# KiCad board Inn BEC Panelized_panelized.kicad_pcb
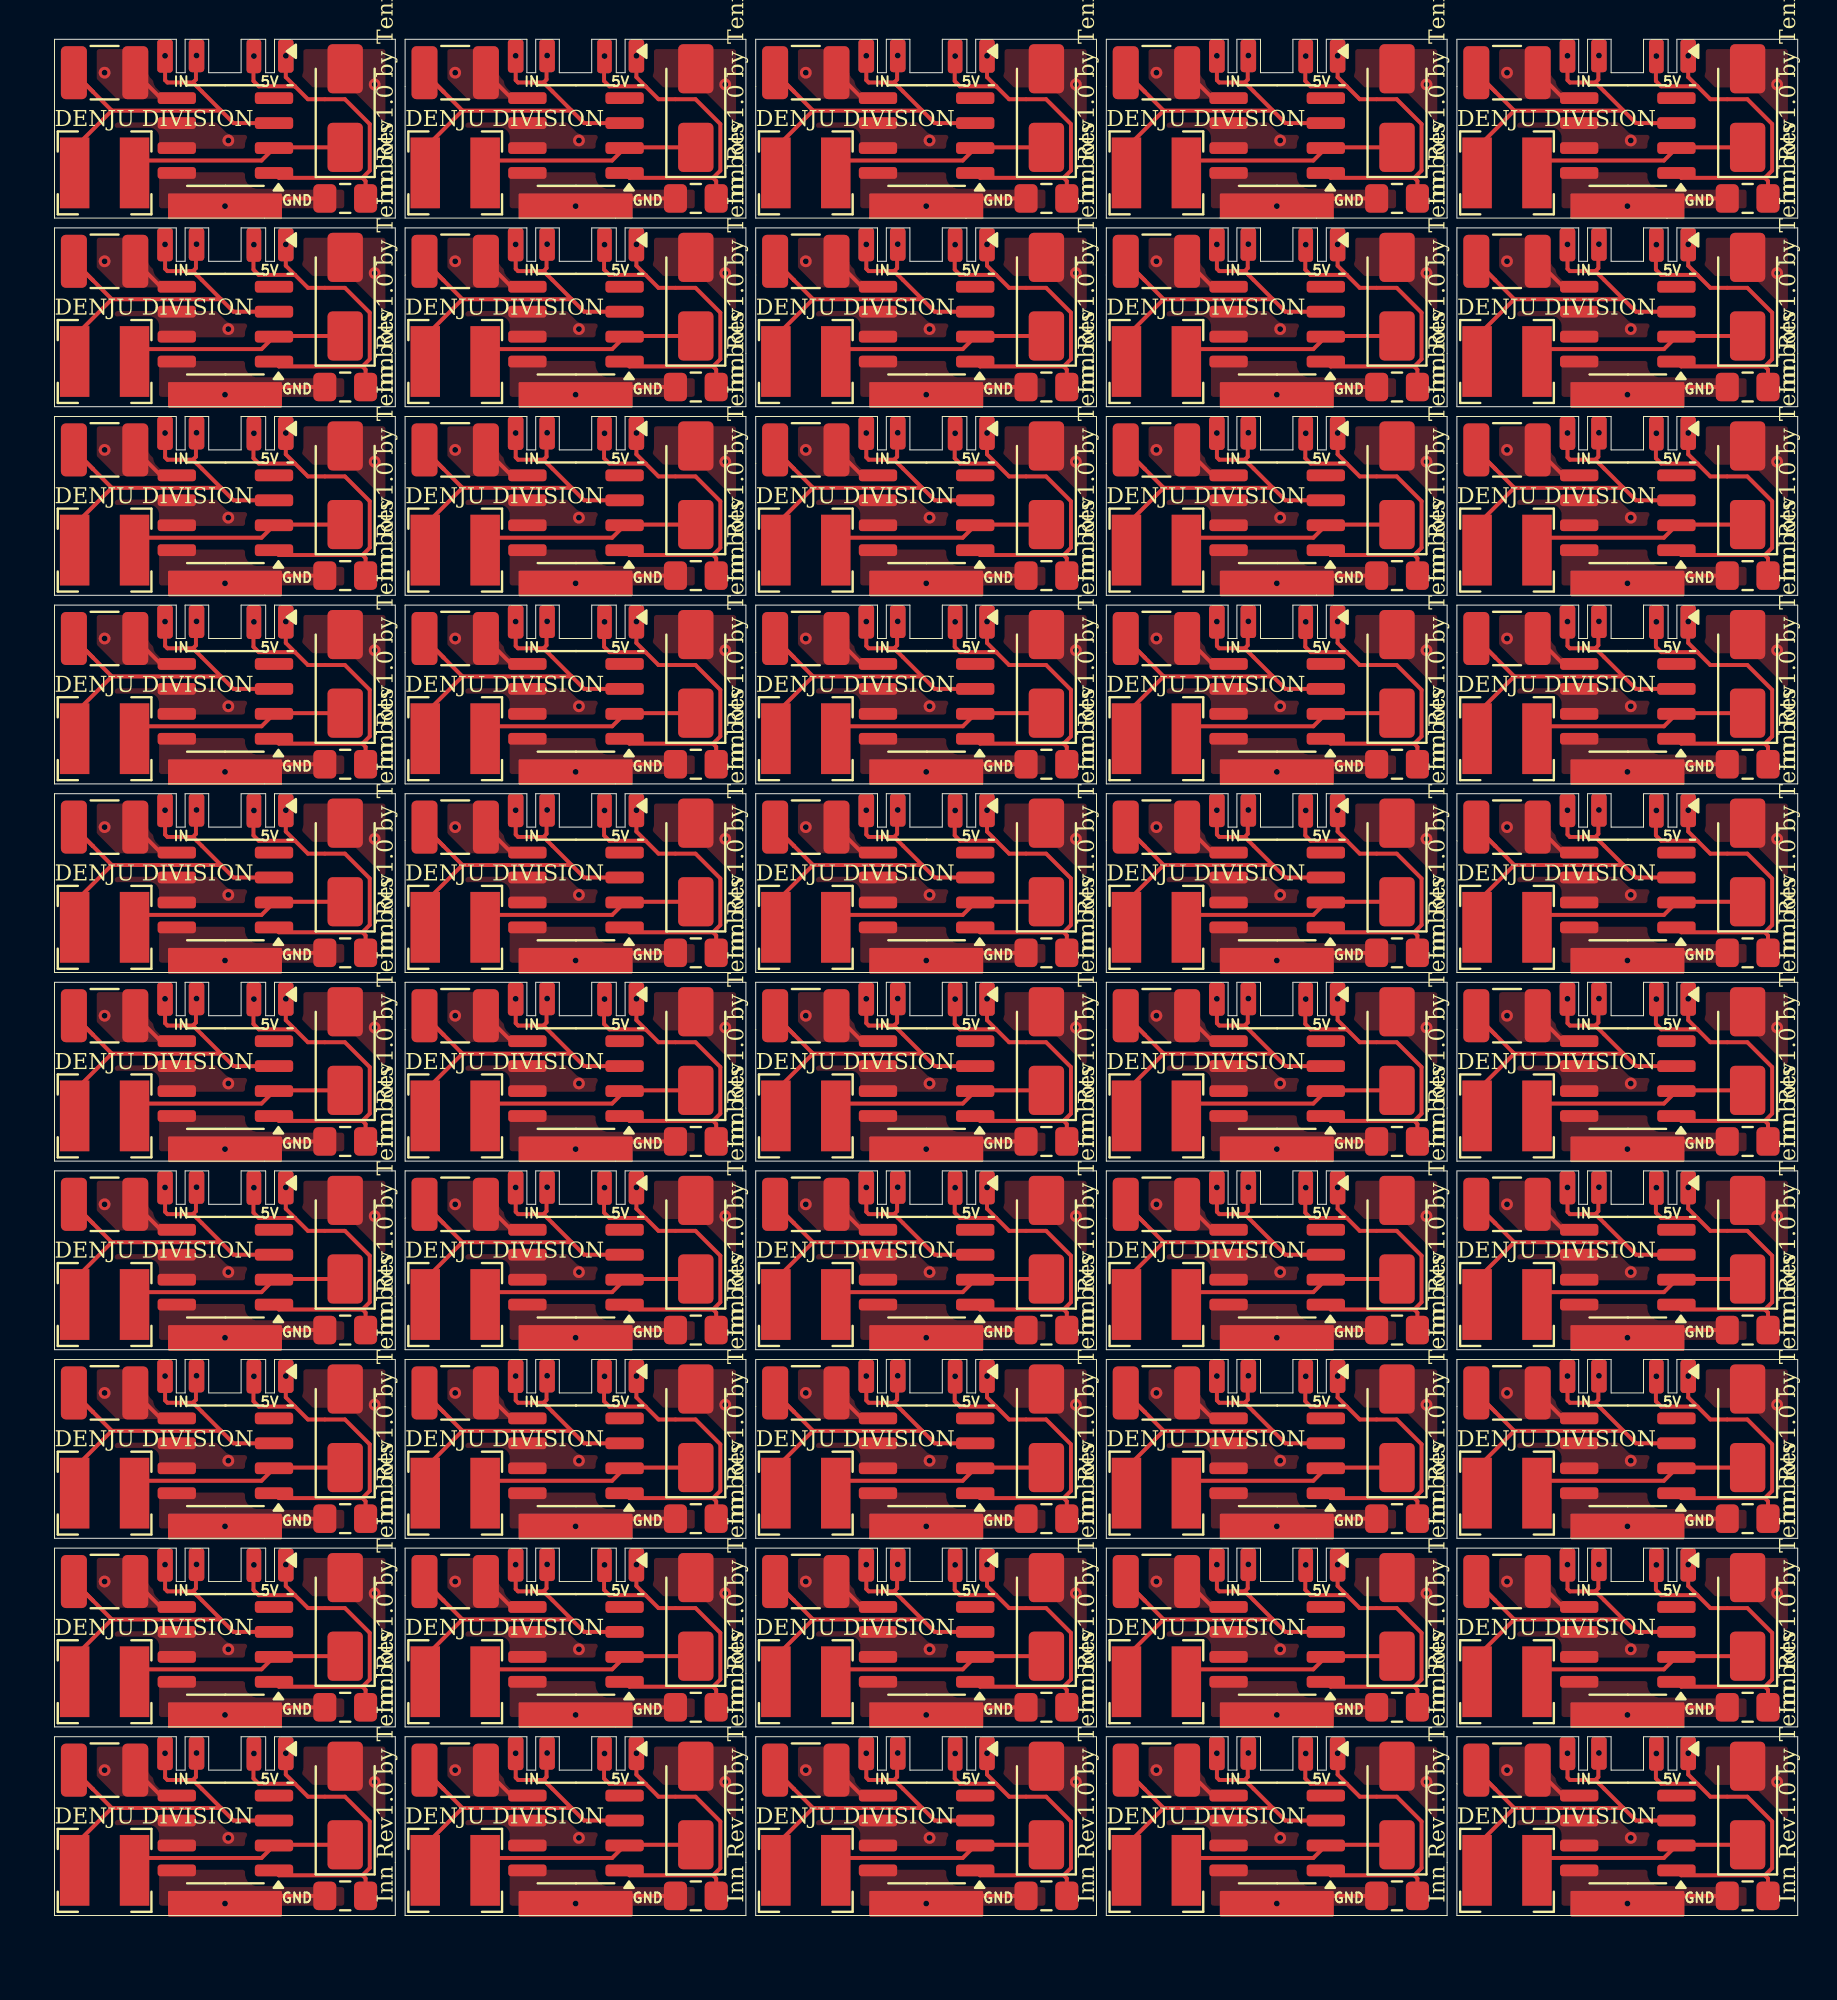
[diagram p0: board, top side]
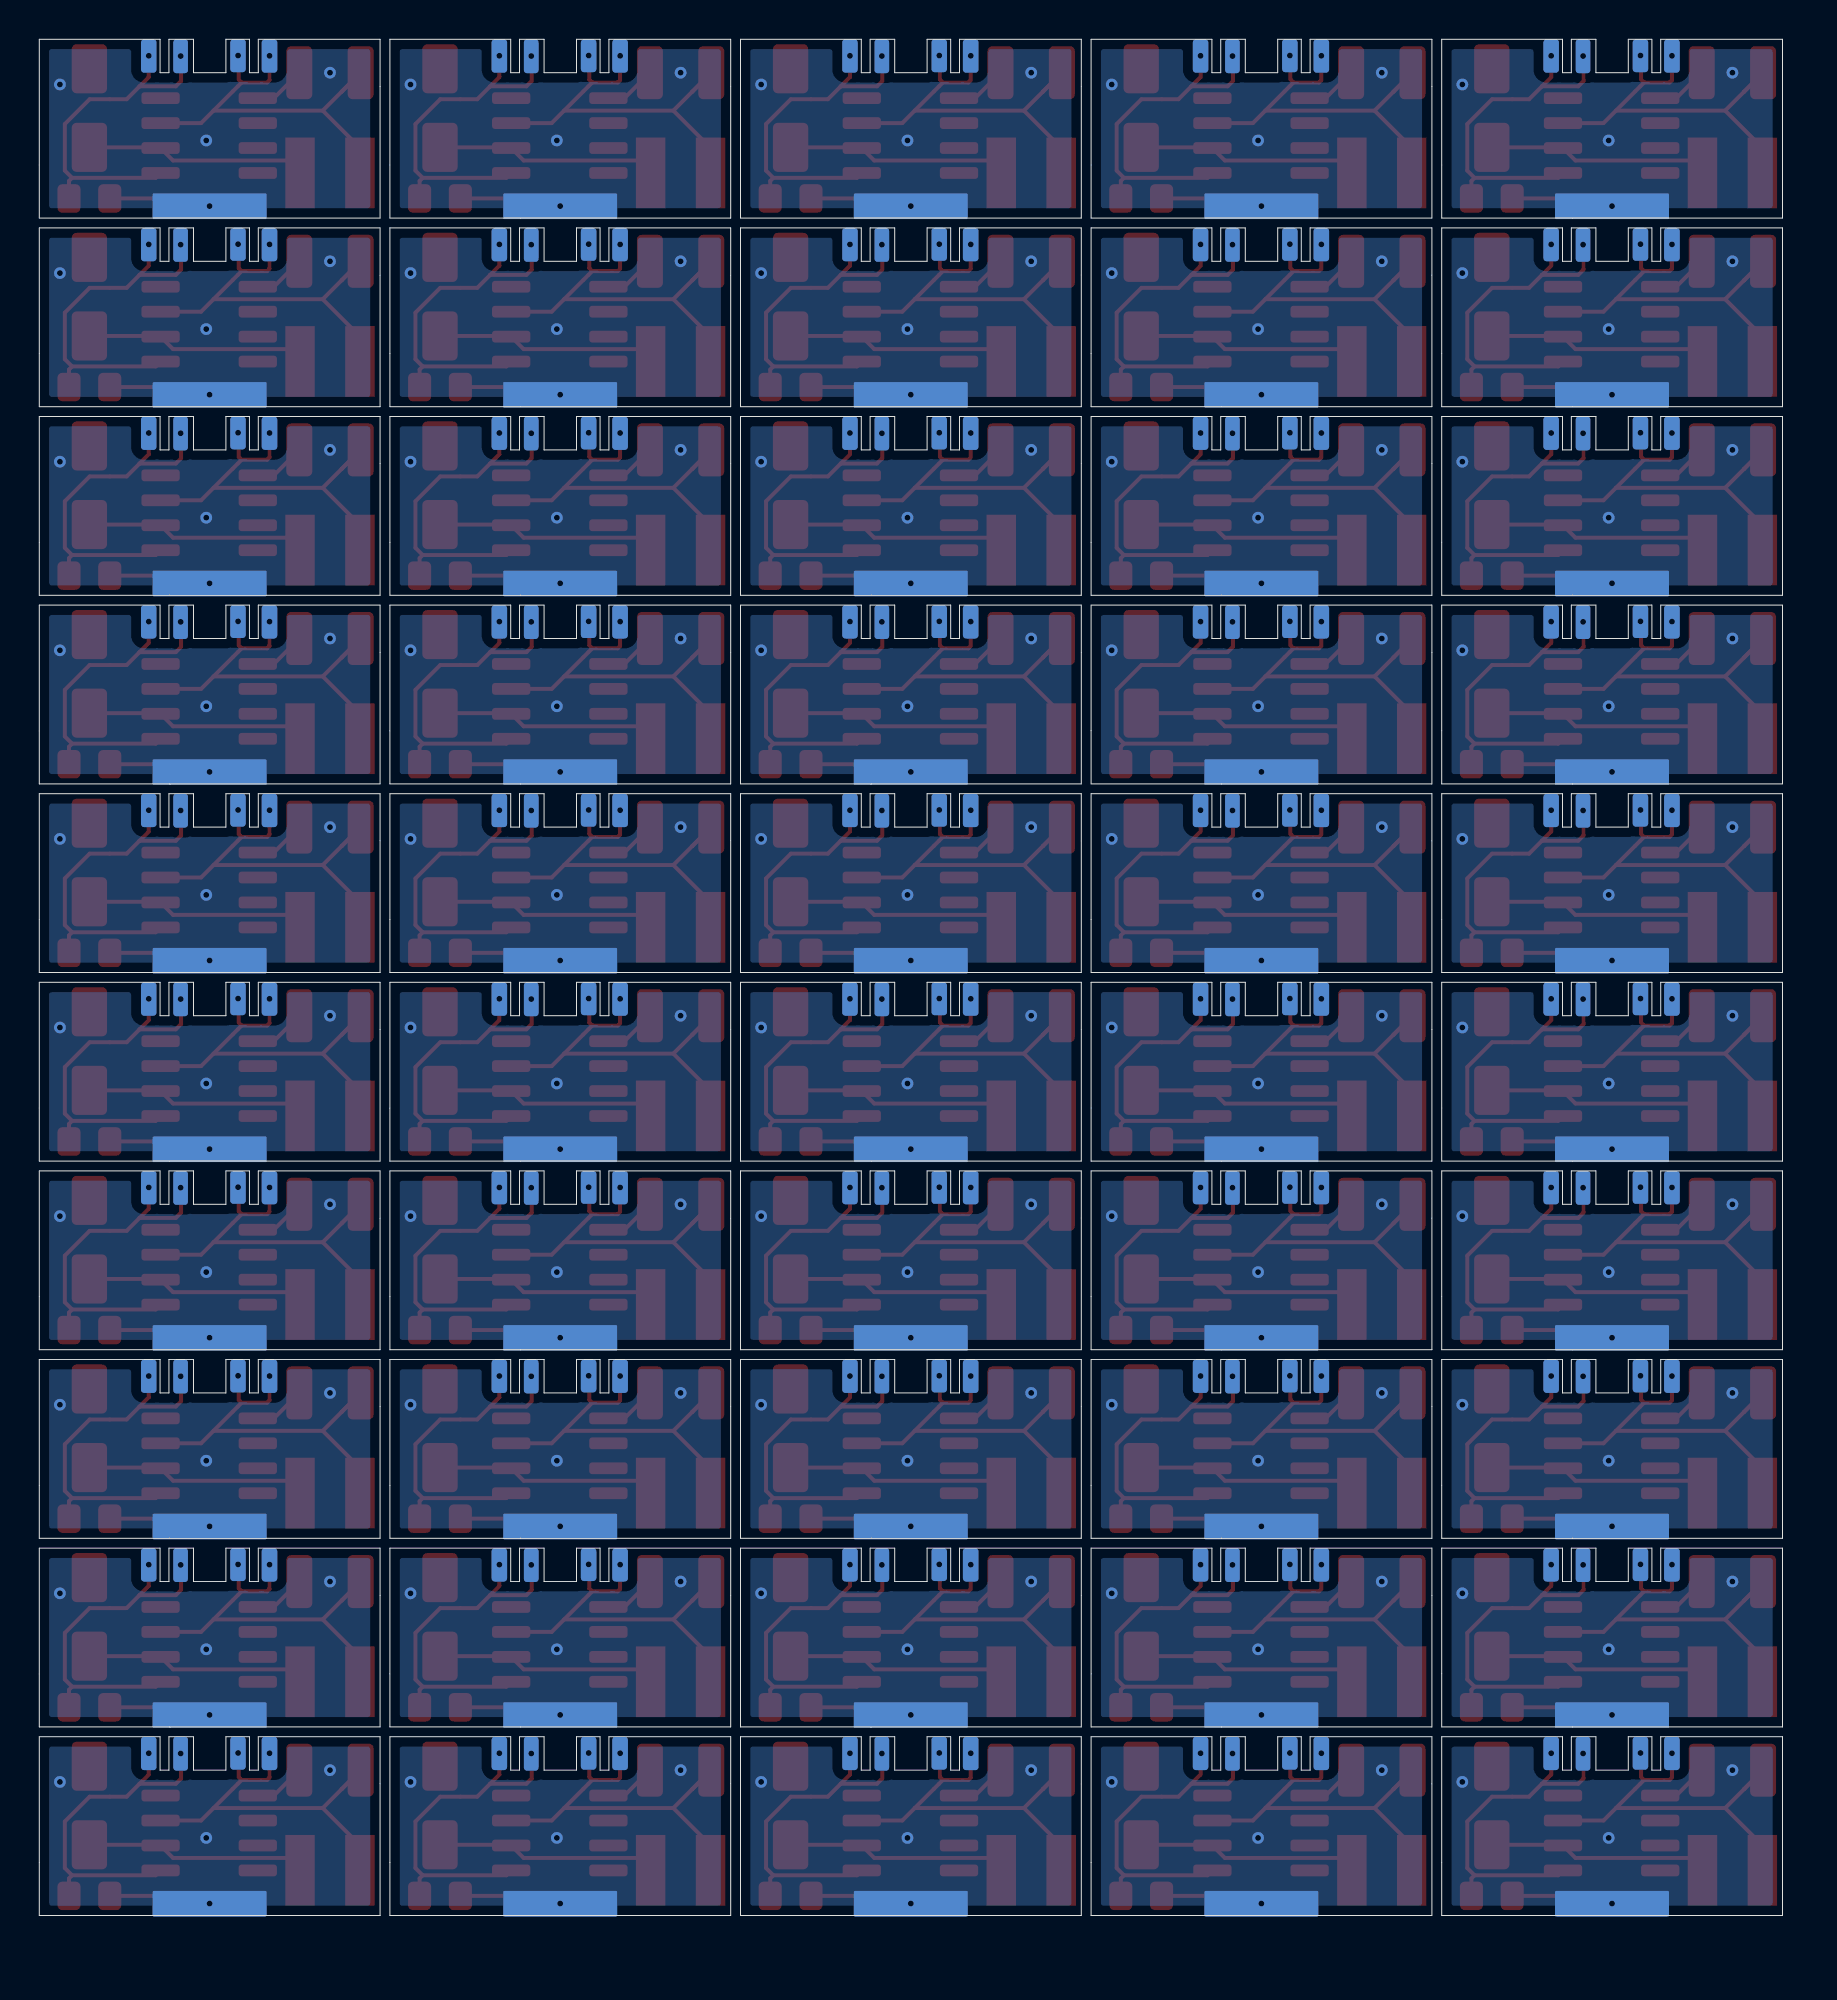
[diagram p1: board, bottom side, seen from below]

Outline 88.75 x 95.5 mm; copper layers: Top, Bottom. Coordinates in mm from the lower left corner of the outline.
Outline path: 0,95.5 0,86.4 17.35,86.4 17.35,95.5 11.2,95.5 11.2,93.8 10.75,93.8 10.75,95.5 9.5,95.5 9.5,93.8 7.85,93.8 7.85,95.5 6.65,95.5 6.65,93.8 6.2,93.8 6.2,95.5 0,95.5 ; 0,85.9 0,76.8 17.35,76.8 17.35,85.9 11.2,85.9 11.2,84.2 10.75,84.2 10.75,85.9 9.5,85.9 9.5,84.2 7.85,84.2 7.85,85.9 6.65,85.9 6.65,84.2 6.2,84.2 6.2,85.9 0,85.9 ; 0,76.3 0,67.2 17.35,67.2 17.35,76.3 11.2,76.3 11.2,74.6 10.75,74.6 10.75,76.3 9.5,76.3 9.5,74.6 7.85,74.6 7.85,76.3 6.65,76.3 6.65,74.6 6.2,74.6 6.2,76.3 0,76.3 ; 0,66.7 0,57.6 17.35,57.6 17.35,66.7 11.2,66.7 11.2,65 10.75,65 10.75,66.7 9.5,66.7 9.5,65 7.85,65 7.85,66.7 6.65,66.7 6.65,65 6.2,65 6.2,66.7 0,66.7 ; 0,57.1 0,48 17.35,48 17.35,57.1 11.2,57.1 11.2,55.4 10.75,55.4 10.75,57.1 9.5,57.1 9.5,55.4 7.85,55.4 7.85,57.1 6.65,57.1 6.65,55.4 6.2,55.4 6.2,57.1 0,57.1 ; 0,47.5 0,38.4 17.35,38.4 17.35,47.5 11.2,47.5 11.2,45.8 10.75,45.8 10.75,47.5 9.5,47.5 9.5,45.8 7.85,45.8 7.85,47.5 6.65,47.5 6.65,45.8 6.2,45.8 6.2,47.5 0,47.5 ; 0,37.9 0,28.8 17.35,28.8 17.35,37.9 11.2,37.9 11.2,36.2 10.75,36.2 10.75,37.9 9.5,37.9 9.5,36.2 7.85,36.2 7.85,37.9 6.65,37.9 6.65,36.2 6.2,36.2 6.2,37.9 0,37.9 ; 0,28.3 0,19.2 17.35,19.2 17.35,28.3 11.2,28.3 11.2,26.6 10.75,26.6 10.75,28.3 9.5,28.3 9.5,26.6 7.85,26.6 7.85,28.3 6.65,28.3 6.65,26.6 6.2,26.6 6.2,28.3 0,28.3 ; 0,18.7 0,9.6 17.35,9.6 17.35,18.7 11.2,18.7 11.2,17 10.75,17 10.75,18.7 9.5,18.7 9.5,17 7.85,17 7.85,18.7 6.65,18.7 6.65,17 6.2,17 6.2,18.7 0,18.7 ; 0,9.1 0,0 17.35,0 17.35,9.1 11.2,9.1 11.2,7.4 10.75,7.4 10.75,9.1 9.5,9.1 9.5,7.4 7.85,7.4 7.85,9.1 6.65,9.1 6.65,7.4 6.2,7.4 6.2,9.1 0,9.1 ; 17.85,95.5 17.85,86.4 35.2,86.4 35.2,95.5 29.05,95.5 29.05,93.8 28.6,93.8 28.6,95.5 27.35,95.5 27.35,93.8 25.7,93.8 25.7,95.5 24.5,95.5 24.5,93.8 24.05,93.8 24.05,95.5 17.85,95.5 ; 17.85,85.9 17.85,76.8 35.2,76.8 35.2,85.9 29.05,85.9 29.05,84.2 28.6,84.2 28.6,85.9 27.35,85.9 27.35,84.2 25.7,84.2 25.7,85.9 24.5,85.9 24.5,84.2 24.05,84.2 24.05,85.9 17.85,85.9 ; 17.85,76.3 17.85,67.2 35.2,67.2 35.2,76.3 29.05,76.3 29.05,74.6 28.6,74.6 28.6,76.3 27.35,76.3 27.35,74.6 25.7,74.6 25.7,76.3 24.5,76.3 24.5,74.6 24.05,74.6 24.05,76.3 17.85,76.3 ; 17.85,66.7 17.85,57.6 35.2,57.6 35.2,66.7 29.05,66.7 29.05,65 28.6,65 28.6,66.7 27.35,66.7 27.35,65 25.7,65 25.7,66.7 24.5,66.7 24.5,65 24.05,65 24.05,66.7 17.85,66.7 ; 17.85,57.1 17.85,48 35.2,48 35.2,57.1 29.05,57.1 29.05,55.4 28.6,55.4 28.6,57.1 27.35,57.1 27.35,55.4 25.7,55.4 25.7,57.1 24.5,57.1 24.5,55.4 24.05,55.4 24.05,57.1 17.85,57.1 ; 17.85,47.5 17.85,38.4 35.2,38.4 35.2,47.5 29.05,47.5 29.05,45.8 28.6,45.8 28.6,47.5 27.35,47.5 27.35,45.8 25.7,45.8 25.7,47.5 24.5,47.5 24.5,45.8 24.05,45.8 24.05,47.5 17.85,47.5 ; 17.85,37.9 17.85,28.8 35.2,28.8 35.2,37.9 29.05,37.9 29.05,36.2 28.6,36.2 28.6,37.9 27.35,37.9 27.35,36.2 25.7,36.2 25.7,37.9 24.5,37.9 24.5,36.2 24.05,36.2 24.05,37.9 17.85,37.9 ; 17.85,28.3 17.85,19.2 35.2,19.2 35.2,28.3 29.05,28.3 29.05,26.6 28.6,26.6 28.6,28.3 27.35,28.3 27.35,26.6 25.7,26.6 25.7,28.3 24.5,28.3 24.5,26.6 24.05,26.6 24.05,28.3 17.85,28.3 ; 17.85,18.7 17.85,9.6 35.2,9.6 35.2,18.7 29.05,18.7 29.05,17 28.6,17 28.6,18.7 27.35,18.7 27.35,17 25.7,17 25.7,18.7 24.5,18.7 24.5,17 24.05,17 24.05,18.7 17.85,18.7 ; 17.85,9.1 17.85,0 35.2,0 35.2,9.1 29.05,9.1 29.05,7.4 28.6,7.4 28.6,9.1 27.35,9.1 27.35,7.4 25.7,7.4 25.7,9.1 24.5,9.1 24.5,7.4 24.05,7.4 24.05,9.1 17.85,9.1 ; 35.7,95.5 35.7,86.4 53.05,86.4 53.05,95.5 46.9,95.5 46.9,93.8 46.45,93.8 46.45,95.5 45.2,95.5 45.2,93.8 43.55,93.8 43.55,95.5 42.35,95.5 42.35,93.8 41.9,93.8 41.9,95.5 35.7,95.5 ; 35.7,85.9 35.7,76.8 53.05,76.8 53.05,85.9 46.9,85.9 46.9,84.2 46.45,84.2 46.45,85.9 45.2,85.9 45.2,84.2 43.55,84.2 43.55,85.9 42.35,85.9 42.35,84.2 41.9,84.2 41.9,85.9 35.7,85.9 ; 35.7,76.3 35.7,67.2 53.05,67.2 53.05,76.3 46.9,76.3 46.9,74.6 46.45,74.6 46.45,76.3 45.2,76.3 45.2,74.6 43.55,74.6 43.55,76.3 42.35,76.3 42.35,74.6 41.9,74.6 41.9,76.3 35.7,76.3 ; 35.7,66.7 35.7,57.6 53.05,57.6 53.05,66.7 46.9,66.7 46.9,65 46.45,65 46.45,66.7 45.2,66.7 45.2,65 43.55,65 43.55,66.7 42.35,66.7 42.35,65 41.9,65 41.9,66.7 35.7,66.7 ; 35.7,57.1 35.7,48 53.05,48 53.05,57.1 46.9,57.1 46.9,55.4 46.45,55.4 46.45,57.1 45.2,57.1 45.2,55.4 43.55,55.4 43.55,57.1 42.35,57.1 42.35,55.4 41.9,55.4 41.9,57.1 35.7,57.1 ; 35.7,47.5 35.7,38.4 53.05,38.4 53.05,47.5 46.9,47.5 46.9,45.8 46.45,45.8 46.45,47.5 45.2,47.5 45.2,45.8 43.55,45.8 43.55,47.5 42.35,47.5 42.35,45.8 41.9,45.8 41.9,47.5 35.7,47.5 ; 35.7,37.9 35.7,28.8 53.05,28.8 53.05,37.9 46.9,37.9 46.9,36.2 46.45,36.2 46.45,37.9 45.2,37.9 45.2,36.2 43.55,36.2 43.55,37.9 42.35,37.9 42.35,36.2 41.9,36.2 41.9,37.9 35.7,37.9 ; 35.7,28.3 35.7,19.2 53.05,19.2 53.05,28.3 46.9,28.3 46.9,26.6 46.45,26.6 46.45,28.3 45.2,28.3 45.2,26.6 43.55,26.6 43.55,28.3 42.35,28.3 42.35,26.6 41.9,26.6 41.9,28.3 35.7,28.3 ; 35.7,18.7 35.7,9.6 53.05,9.6 53.05,18.7 46.9,18.7 46.9,17 46.45,17 46.45,18.7 45.2,18.7 45.2,17 43.55,17 43.55,18.7 42.35,18.7 42.35,17 41.9,17 41.9,18.7 35.7,18.7 ; 35.7,9.1 35.7,0 53.05,0 53.05,9.1 46.9,9.1 46.9,7.4 46.45,7.4 46.45,9.1 45.2,9.1 45.2,7.4 43.55,7.4 43.55,9.1 42.35,9.1 42.35,7.4 41.9,7.4 41.9,9.1 35.7,9.1 ; 53.55,95.5 53.55,86.4 70.9,86.4 70.9,95.5 64.75,95.5 64.75,93.8 64.3,93.8 64.3,95.5 63.05,95.5 63.05,93.8 61.4,93.8 61.4,95.5 60.2,95.5 60.2,93.8 59.75,93.8 59.75,95.5 53.55,95.5 ; 53.55,85.9 53.55,76.8 70.9,76.8 70.9,85.9 64.75,85.9 64.75,84.2 64.3,84.2 64.3,85.9 63.05,85.9 63.05,84.2 61.4,84.2 61.4,85.9 60.2,85.9 60.2,84.2 59.75,84.2 59.75,85.9 53.55,85.9 ; 53.55,76.3 53.55,67.2 70.9,67.2 70.9,76.3 64.75,76.3 64.75,74.6 64.3,74.6 64.3,76.3 63.05,76.3 63.05,74.6 61.4,74.6 61.4,76.3 60.2,76.3 60.2,74.6 59.75,74.6 59.75,76.3 53.55,76.3 ; 53.55,66.7 53.55,57.6 70.9,57.6 70.9,66.7 64.75,66.7 64.75,65 64.3,65 64.3,66.7 63.05,66.7 63.05,65 61.4,65 61.4,66.7 60.2,66.7 60.2,65 59.75,65 59.75,66.7 53.55,66.7 ; 53.55,57.1 53.55,48 70.9,48 70.9,57.1 64.75,57.1 64.75,55.4 64.3,55.4 64.3,57.1 63.05,57.1 63.05,55.4 61.4,55.4 61.4,57.1 60.2,57.1 60.2,55.4 59.75,55.4 59.75,57.1 53.55,57.1 ; 53.55,47.5 53.55,38.4 70.9,38.4 70.9,47.5 64.75,47.5 64.75,45.8 64.3,45.8 64.3,47.5 63.05,47.5 63.05,45.8 61.4,45.8 61.4,47.5 60.2,47.5 60.2,45.8 59.75,45.8 59.75,47.5 53.55,47.5 ; 53.55,37.9 53.55,28.8 70.9,28.8 70.9,37.9 64.75,37.9 64.75,36.2 64.3,36.2 64.3,37.9 63.05,37.9 63.05,36.2 61.4,36.2 61.4,37.9 60.2,37.9 60.2,36.2 59.75,36.2 59.75,37.9 53.55,37.9 ; 53.55,28.3 53.55,19.2 70.9,19.2 70.9,28.3 64.75,28.3 64.75,26.6 64.3,26.6 64.3,28.3 63.05,28.3 63.05,26.6 61.4,26.6 61.4,28.3 60.2,28.3 60.2,26.6 59.75,26.6 59.75,28.3 53.55,28.3 ; 53.55,18.7 53.55,9.6 70.9,9.6 70.9,18.7 64.75,18.7 64.75,17 64.3,17 64.3,18.7 63.05,18.7 63.05,17 61.4,17 61.4,18.7 60.2,18.7 60.2,17 59.75,17 59.75,18.7 53.55,18.7 ; 53.55,9.1 53.55,0 70.9,0 70.9,9.1 64.75,9.1 64.75,7.4 64.3,7.4 64.3,9.1 63.05,9.1 63.05,7.4 61.4,7.4 61.4,9.1 60.2,9.1 60.2,7.4 59.75,7.4 59.75,9.1 53.55,9.1 ; 71.4,95.5 71.4,86.4 88.75,86.4 88.75,95.5 82.6,95.5 82.6,93.8 82.15,93.8 82.15,95.5 80.9,95.5 80.9,93.8 79.25,93.8 79.25,95.5 78.05,95.5 78.05,93.8 77.6,93.8 77.6,95.5 71.4,95.5 ; 71.4,85.9 71.4,76.8 88.75,76.8 88.75,85.9 82.6,85.9 82.6,84.2 82.15,84.2 82.15,85.9 80.9,85.9 80.9,84.2 79.25,84.2 79.25,85.9 78.05,85.9 78.05,84.2 77.6,84.2 77.6,85.9 71.4,85.9 ; 71.4,76.3 71.4,67.2 88.75,67.2 88.75,76.3 82.6,76.3 82.6,74.6 82.15,74.6 82.15,76.3 80.9,76.3 80.9,74.6 79.25,74.6 79.25,76.3 78.05,76.3 78.05,74.6 77.6,74.6 77.6,76.3 71.4,76.3 ; 71.4,66.7 71.4,57.6 88.75,57.6 88.75,66.7 82.6,66.7 82.6,65 82.15,65 82.15,66.7 80.9,66.7 80.9,65 79.25,65 79.25,66.7 78.05,66.7 78.05,65 77.6,65 77.6,66.7 71.4,66.7 ; 71.4,57.1 71.4,48 88.75,48 88.75,57.1 82.6,57.1 82.6,55.4 82.15,55.4 82.15,57.1 80.9,57.1 80.9,55.4 79.25,55.4 79.25,57.1 78.05,57.1 78.05,55.4 77.6,55.4 77.6,57.1 71.4,57.1 ; 71.4,47.5 71.4,38.4 88.75,38.4 88.75,47.5 82.6,47.5 82.6,45.8 82.15,45.8 82.15,47.5 80.9,47.5 80.9,45.8 79.25,45.8 79.25,47.5 78.05,47.5 78.05,45.8 77.6,45.8 77.6,47.5 71.4,47.5 ; 71.4,37.9 71.4,28.8 88.75,28.8 88.75,37.9 82.6,37.9 82.6,36.2 82.15,36.2 82.15,37.9 80.9,37.9 80.9,36.2 79.25,36.2 79.25,37.9 78.05,37.9 78.05,36.2 77.6,36.2 77.6,37.9 71.4,37.9 ; 71.4,28.3 71.4,19.2 88.75,19.2 88.75,28.3 82.6,28.3 82.6,26.6 82.15,26.6 82.15,28.3 80.9,28.3 80.9,26.6 79.25,26.6 79.25,28.3 78.05,28.3 78.05,26.6 77.6,26.6 77.6,28.3 71.4,28.3 ; 71.4,18.7 71.4,9.6 88.75,9.6 88.75,18.7 82.6,18.7 82.6,17 82.15,17 82.15,18.7 80.9,18.7 80.9,17 79.25,17 79.25,18.7 78.05,18.7 78.05,17 77.6,17 77.6,18.7 71.4,18.7 ; 71.4,9.1 71.4,0 88.75,0 88.75,9.1 82.6,9.1 82.6,7.4 82.15,7.4 82.15,9.1 80.9,9.1 80.9,7.4 79.25,7.4 79.25,9.1 78.05,9.1 78.05,7.4 77.6,7.4 77.6,9.1 71.4,9.1
Stack: Top 0.035mm / dielectric 1.51mm FR4 er 4.5 / Bottom 0.035mm

## Placement (name value [footprint] x y rotation side)
C1  47uF  [C_1210_3225Metric_Pad1.33x2.70mm_HandSolder]  2.55 36.2 0 top
C1#2  47uF  [C_1210_3225Metric_Pad1.33x2.70mm_HandSolder]  56.1 93.8 0 top
C1#3  47uF  [C_1210_3225Metric_Pad1.33x2.70mm_HandSolder]  38.25 26.6 0 top
C1#4  47uF  [C_1210_3225Metric_Pad1.33x2.70mm_HandSolder]  20.4 45.8 0 top
C1#5  47uF  [C_1210_3225Metric_Pad1.33x2.70mm_HandSolder]  20.4 74.6 0 top
C1#6  47uF  [C_1210_3225Metric_Pad1.33x2.70mm_HandSolder]  73.95 7.4 0 top
C1#7  47uF  [C_1210_3225Metric_Pad1.33x2.70mm_HandSolder]  20.4 55.4 0 top
C1#8  47uF  [C_1210_3225Metric_Pad1.33x2.70mm_HandSolder]  2.55 45.8 0 top
C1#9  47uF  [C_1210_3225Metric_Pad1.33x2.70mm_HandSolder]  38.25 84.2 0 top
C1#10  47uF  [C_1210_3225Metric_Pad1.33x2.70mm_HandSolder]  38.25 7.4 0 top
C1#11  47uF  [C_1210_3225Metric_Pad1.33x2.70mm_HandSolder]  56.1 17 0 top
C1#12  47uF  [C_1210_3225Metric_Pad1.33x2.70mm_HandSolder]  73.95 55.4 0 top
C1#13  47uF  [C_1210_3225Metric_Pad1.33x2.70mm_HandSolder]  38.25 65 0 top
C1#14  47uF  [C_1210_3225Metric_Pad1.33x2.70mm_HandSolder]  38.25 74.6 0 top
C1#15  47uF  [C_1210_3225Metric_Pad1.33x2.70mm_HandSolder]  73.95 26.6 0 top
C1#16  47uF  [C_1210_3225Metric_Pad1.33x2.70mm_HandSolder]  20.4 36.2 0 top
C1#17  47uF  [C_1210_3225Metric_Pad1.33x2.70mm_HandSolder]  56.1 74.6 0 top
C1#18  47uF  [C_1210_3225Metric_Pad1.33x2.70mm_HandSolder]  56.1 36.2 0 top
C1#19  47uF  [C_1210_3225Metric_Pad1.33x2.70mm_HandSolder]  2.55 26.6 0 top
C1#20  47uF  [C_1210_3225Metric_Pad1.33x2.70mm_HandSolder]  20.4 84.2 0 top
C1#21  47uF  [C_1210_3225Metric_Pad1.33x2.70mm_HandSolder]  2.55 55.4 0 top
C1#22  47uF  [C_1210_3225Metric_Pad1.33x2.70mm_HandSolder]  56.1 7.4 0 top
C1#23  47uF  [C_1210_3225Metric_Pad1.33x2.70mm_HandSolder]  56.1 84.2 0 top
C1#24  47uF  [C_1210_3225Metric_Pad1.33x2.70mm_HandSolder]  56.1 45.8 0 top
C1#25  47uF  [C_1210_3225Metric_Pad1.33x2.70mm_HandSolder]  73.95 93.8 0 top
C1#26  47uF  [C_1210_3225Metric_Pad1.33x2.70mm_HandSolder]  20.4 7.4 0 top
C1#27  47uF  [C_1210_3225Metric_Pad1.33x2.70mm_HandSolder]  38.25 36.2 0 top
C1#28  47uF  [C_1210_3225Metric_Pad1.33x2.70mm_HandSolder]  73.95 45.8 0 top
C1#29  47uF  [C_1210_3225Metric_Pad1.33x2.70mm_HandSolder]  2.55 7.4 0 top
C1#30  47uF  [C_1210_3225Metric_Pad1.33x2.70mm_HandSolder]  56.1 55.4 0 top
C1#31  47uF  [C_1210_3225Metric_Pad1.33x2.70mm_HandSolder]  38.25 93.8 0 top
C1#32  47uF  [C_1210_3225Metric_Pad1.33x2.70mm_HandSolder]  38.25 45.8 0 top
C1#33  47uF  [C_1210_3225Metric_Pad1.33x2.70mm_HandSolder]  73.95 36.2 0 top
C1#34  47uF  [C_1210_3225Metric_Pad1.33x2.70mm_HandSolder]  20.4 17 0 top
C1#35  47uF  [C_1210_3225Metric_Pad1.33x2.70mm_HandSolder]  20.4 26.6 0 top
C1#36  47uF  [C_1210_3225Metric_Pad1.33x2.70mm_HandSolder]  20.4 65 0 top
C1#37  47uF  [C_1210_3225Metric_Pad1.33x2.70mm_HandSolder]  56.1 65 0 top
C1#38  47uF  [C_1210_3225Metric_Pad1.33x2.70mm_HandSolder]  73.95 17 0 top
C1#39  47uF  [C_1210_3225Metric_Pad1.33x2.70mm_HandSolder]  2.55 17 0 top
C1#40  47uF  [C_1210_3225Metric_Pad1.33x2.70mm_HandSolder]  2.55 84.2 0 top
C1#41  47uF  [C_1210_3225Metric_Pad1.33x2.70mm_HandSolder]  38.25 55.4 0 top
C1#42  47uF  [C_1210_3225Metric_Pad1.33x2.70mm_HandSolder]  2.55 93.8 0 top
C1#43  47uF  [C_1210_3225Metric_Pad1.33x2.70mm_HandSolder]  73.95 74.6 0 top
C1#44  47uF  [C_1210_3225Metric_Pad1.33x2.70mm_HandSolder]  2.55 65 0 top
C1#45  47uF  [C_1210_3225Metric_Pad1.33x2.70mm_HandSolder]  73.95 65 0 top
C1#46  47uF  [C_1210_3225Metric_Pad1.33x2.70mm_HandSolder]  38.25 17 0 top
C1#47  47uF  [C_1210_3225Metric_Pad1.33x2.70mm_HandSolder]  73.95 84.2 0 top
C1#48  47uF  [C_1210_3225Metric_Pad1.33x2.70mm_HandSolder]  56.1 26.6 0 top
C1#49  47uF  [C_1210_3225Metric_Pad1.33x2.70mm_HandSolder]  20.4 93.8 0 top
C1#50  47uF  [C_1210_3225Metric_Pad1.33x2.70mm_HandSolder]  2.55 74.6 0 top
C2  22uF  [C_0805_2012Metric_Pad1.18x1.45mm_HandSolder]  32.65 87.4 180 top
C2#2  22uF  [C_0805_2012Metric_Pad1.18x1.45mm_HandSolder]  50.5 77.8 180 top
C2#3  22uF  [C_0805_2012Metric_Pad1.18x1.45mm_HandSolder]  68.35 10.6 180 top
C2#4  22uF  [C_0805_2012Metric_Pad1.18x1.45mm_HandSolder]  68.35 77.8 180 top
C2#5  22uF  [C_0805_2012Metric_Pad1.18x1.45mm_HandSolder]  68.35 87.4 180 top
C2#6  22uF  [C_0805_2012Metric_Pad1.18x1.45mm_HandSolder]  32.65 29.8 180 top
C2#7  22uF  [C_0805_2012Metric_Pad1.18x1.45mm_HandSolder]  68.35 68.2 180 top
C2#8  22uF  [C_0805_2012Metric_Pad1.18x1.45mm_HandSolder]  14.8 39.4 180 top
C2#9  22uF  [C_0805_2012Metric_Pad1.18x1.45mm_HandSolder]  86.2 1 180 top
C2#10  22uF  [C_0805_2012Metric_Pad1.18x1.45mm_HandSolder]  50.5 68.2 180 top
C2#11  22uF  [C_0805_2012Metric_Pad1.18x1.45mm_HandSolder]  50.5 87.4 180 top
C2#12  22uF  [C_0805_2012Metric_Pad1.18x1.45mm_HandSolder]  68.35 39.4 180 top
C2#13  22uF  [C_0805_2012Metric_Pad1.18x1.45mm_HandSolder]  50.5 29.8 180 top
C2#14  22uF  [C_0805_2012Metric_Pad1.18x1.45mm_HandSolder]  14.8 10.6 180 top
C2#15  22uF  [C_0805_2012Metric_Pad1.18x1.45mm_HandSolder]  86.2 77.8 180 top
C2#16  22uF  [C_0805_2012Metric_Pad1.18x1.45mm_HandSolder]  32.65 10.6 180 top
C2#17  22uF  [C_0805_2012Metric_Pad1.18x1.45mm_HandSolder]  86.2 20.2 180 top
C2#18  22uF  [C_0805_2012Metric_Pad1.18x1.45mm_HandSolder]  14.8 20.2 180 top
C2#19  22uF  [C_0805_2012Metric_Pad1.18x1.45mm_HandSolder]  14.8 58.6 180 top
C2#20  22uF  [C_0805_2012Metric_Pad1.18x1.45mm_HandSolder]  50.5 39.4 180 top
C2#21  22uF  [C_0805_2012Metric_Pad1.18x1.45mm_HandSolder]  50.5 58.6 180 top
C2#22  22uF  [C_0805_2012Metric_Pad1.18x1.45mm_HandSolder]  32.65 39.4 180 top
C2#23  22uF  [C_0805_2012Metric_Pad1.18x1.45mm_HandSolder]  50.5 1 180 top
C2#24  22uF  [C_0805_2012Metric_Pad1.18x1.45mm_HandSolder]  14.8 49 180 top
C2#25  22uF  [C_0805_2012Metric_Pad1.18x1.45mm_HandSolder]  32.65 1 180 top
C2#26  22uF  [C_0805_2012Metric_Pad1.18x1.45mm_HandSolder]  14.8 68.2 180 top
C2#27  22uF  [C_0805_2012Metric_Pad1.18x1.45mm_HandSolder]  32.65 58.6 180 top
C2#28  22uF  [C_0805_2012Metric_Pad1.18x1.45mm_HandSolder]  14.8 29.8 180 top
C2#29  22uF  [C_0805_2012Metric_Pad1.18x1.45mm_HandSolder]  14.8 77.8 180 top
C2#30  22uF  [C_0805_2012Metric_Pad1.18x1.45mm_HandSolder]  14.8 87.4 180 top
C2#31  22uF  [C_0805_2012Metric_Pad1.18x1.45mm_HandSolder]  68.35 49 180 top
C2#32  22uF  [C_0805_2012Metric_Pad1.18x1.45mm_HandSolder]  68.35 20.2 180 top
C2#33  22uF  [C_0805_2012Metric_Pad1.18x1.45mm_HandSolder]  32.65 68.2 180 top
C2#34  22uF  [C_0805_2012Metric_Pad1.18x1.45mm_HandSolder]  50.5 49 180 top
C2#35  22uF  [C_0805_2012Metric_Pad1.18x1.45mm_HandSolder]  32.65 20.2 180 top
C2#36  22uF  [C_0805_2012Metric_Pad1.18x1.45mm_HandSolder]  86.2 58.6 180 top
C2#37  22uF  [C_0805_2012Metric_Pad1.18x1.45mm_HandSolder]  32.65 77.8 180 top
C2#38  22uF  [C_0805_2012Metric_Pad1.18x1.45mm_HandSolder]  50.5 10.6 180 top
C2#39  22uF  [C_0805_2012Metric_Pad1.18x1.45mm_HandSolder]  86.2 49 180 top
C2#40  22uF  [C_0805_2012Metric_Pad1.18x1.45mm_HandSolder]  86.2 10.6 180 top
C2#41  22uF  [C_0805_2012Metric_Pad1.18x1.45mm_HandSolder]  86.2 29.8 180 top
C2#42  22uF  [C_0805_2012Metric_Pad1.18x1.45mm_HandSolder]  14.8 1 180 top
C2#43  22uF  [C_0805_2012Metric_Pad1.18x1.45mm_HandSolder]  68.35 29.8 180 top
C2#44  22uF  [C_0805_2012Metric_Pad1.18x1.45mm_HandSolder]  68.35 58.6 180 top
C2#45  22uF  [C_0805_2012Metric_Pad1.18x1.45mm_HandSolder]  86.2 87.4 180 top
C2#46  22uF  [C_0805_2012Metric_Pad1.18x1.45mm_HandSolder]  50.5 20.2 180 top
C2#47  22uF  [C_0805_2012Metric_Pad1.18x1.45mm_HandSolder]  32.65 49 180 top
C2#48  22uF  [C_0805_2012Metric_Pad1.18x1.45mm_HandSolder]  68.35 1 180 top
C2#49  22uF  [C_0805_2012Metric_Pad1.18x1.45mm_HandSolder]  86.2 39.4 180 top
C2#50  22uF  [C_0805_2012Metric_Pad1.18x1.45mm_HandSolder]  86.2 68.2 180 top
D2  D_Schottky  [D_SMA]  32.65 92 90 top
D2#2  D_Schottky  [D_SMA]  14.8 72.8 90 top
D2#3  D_Schottky  [D_SMA]  86.2 24.8 90 top
D2#4  D_Schottky  [D_SMA]  86.2 5.6 90 top
D2#5  D_Schottky  [D_SMA]  32.65 72.8 90 top
D2#6  D_Schottky  [D_SMA]  86.2 15.2 90 top
D2#7  D_Schottky  [D_SMA]  86.2 34.4 90 top
D2#8  D_Schottky  [D_SMA]  14.8 63.2 90 top
D2#9  D_Schottky  [D_SMA]  14.8 82.4 90 top
D2#10  D_Schottky  [D_SMA]  86.2 53.6 90 top
D2#11  D_Schottky  [D_SMA]  14.8 5.6 90 top
D2#12  D_Schottky  [D_SMA]  68.35 15.2 90 top
D2#13  D_Schottky  [D_SMA]  32.65 82.4 90 top
D2#14  D_Schottky  [D_SMA]  50.5 63.2 90 top
D2#15  D_Schottky  [D_SMA]  68.35 44 90 top
D2#16  D_Schottky  [D_SMA]  86.2 82.4 90 top
D2#17  D_Schottky  [D_SMA]  86.2 92 90 top
D2#18  D_Schottky  [D_SMA]  14.8 34.4 90 top
D2#19  D_Schottky  [D_SMA]  68.35 53.6 90 top
D2#20  D_Schottky  [D_SMA]  32.65 34.4 90 top
D2#21  D_Schottky  [D_SMA]  68.35 82.4 90 top
D2#22  D_Schottky  [D_SMA]  14.8 24.8 90 top
D2#23  D_Schottky  [D_SMA]  50.5 44 90 top
D2#24  D_Schottky  [D_SMA]  32.65 5.6 90 top
D2#25  D_Schottky  [D_SMA]  32.65 24.8 90 top
D2#26  D_Schottky  [D_SMA]  68.35 34.4 90 top
D2#27  D_Schottky  [D_SMA]  50.5 34.4 90 top
D2#28  D_Schottky  [D_SMA]  68.35 92 90 top
D2#29  D_Schottky  [D_SMA]  32.65 53.6 90 top
D2#30  D_Schottky  [D_SMA]  32.65 63.2 90 top
D2#31  D_Schottky  [D_SMA]  86.2 72.8 90 top
D2#32  D_Schottky  [D_SMA]  50.5 5.6 90 top
D2#33  D_Schottky  [D_SMA]  14.8 53.6 90 top
D2#34  D_Schottky  [D_SMA]  50.5 82.4 90 top
D2#35  D_Schottky  [D_SMA]  32.65 44 90 top
D2#36  D_Schottky  [D_SMA]  14.8 15.2 90 top
D2#37  D_Schottky  [D_SMA]  32.65 15.2 90 top
D2#38  D_Schottky  [D_SMA]  68.35 63.2 90 top
D2#39  D_Schottky  [D_SMA]  86.2 44 90 top
D2#40  D_Schottky  [D_SMA]  50.5 24.8 90 top
D2#41  D_Schottky  [D_SMA]  50.5 92 90 top
D2#42  D_Schottky  [D_SMA]  14.8 92 90 top
D2#43  D_Schottky  [D_SMA]  50.5 15.2 90 top
D2#44  D_Schottky  [D_SMA]  50.5 53.6 90 top
D2#45  D_Schottky  [D_SMA]  68.35 24.8 90 top
D2#46  D_Schottky  [D_SMA]  14.8 44 90 top
D2#47  D_Schottky  [D_SMA]  68.35 5.6 90 top
D2#48  D_Schottky  [D_SMA]  50.5 72.8 90 top
D2#49  D_Schottky  [D_SMA]  68.35 72.8 90 top
D2#50  D_Schottky  [D_SMA]  86.2 63.2 90 top
J1  Conn_01x03_Socket  [TO-252-2]  44.38 22.65 270 top
J1#2  Conn_01x03_Socket  [TO-252-2]  80.08 70.65 270 top
J1#3  Conn_01x03_Socket  [TO-252-2]  26.53 13.05 270 top
J1#4  Conn_01x03_Socket  [TO-252-2]  26.53 89.85 270 top
J1#5  Conn_01x03_Socket  [TO-252-2]  44.38 32.25 270 top
J1#6  Conn_01x03_Socket  [TO-252-2]  80.08 89.85 270 top
J1#7  Conn_01x03_Socket  [TO-252-2]  62.23 61.05 270 top
J1#8  Conn_01x03_Socket  [TO-252-2]  8.68 13.05 270 top
J1#9  Conn_01x03_Socket  [TO-252-2]  8.68 80.25 270 top